# Altium PCB MainBoard.PcbDoc (part 1 of 2)
Units mm, origin at the board's own origin, x right, y up, seen from the top; angles counter-clockwise.
Board outline 63.5 x 63.5 mm, 4 copper layers (SIG-TOP, GND, PWR, SIG_BOT), stack 1.586 mm thick; 49 components, 50 nets, 318 pads, 614 vias.
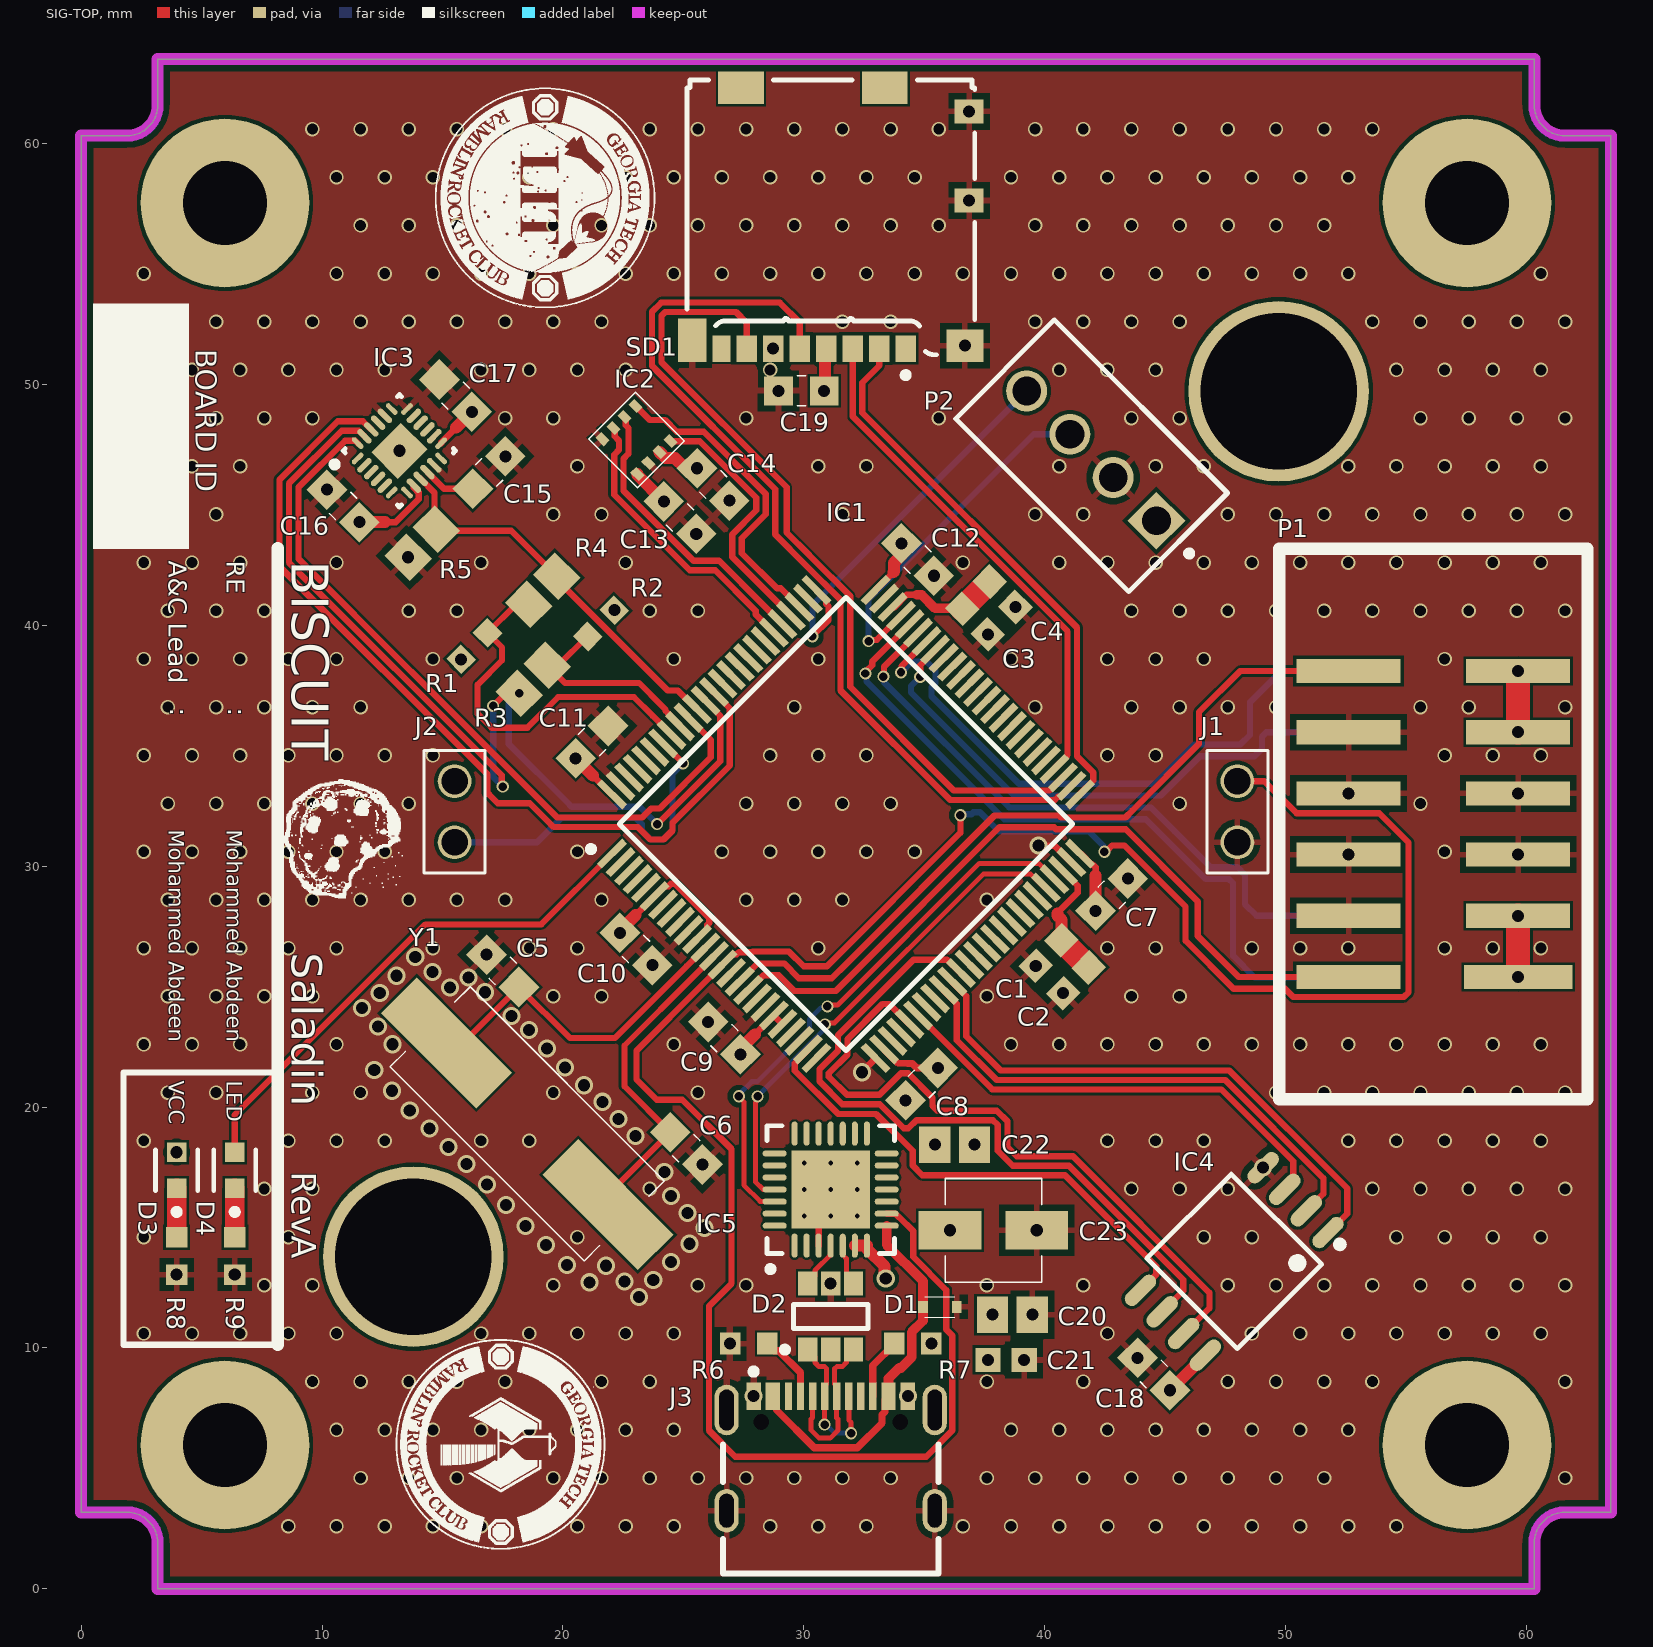
[diagram p0: SIG-TOP view]
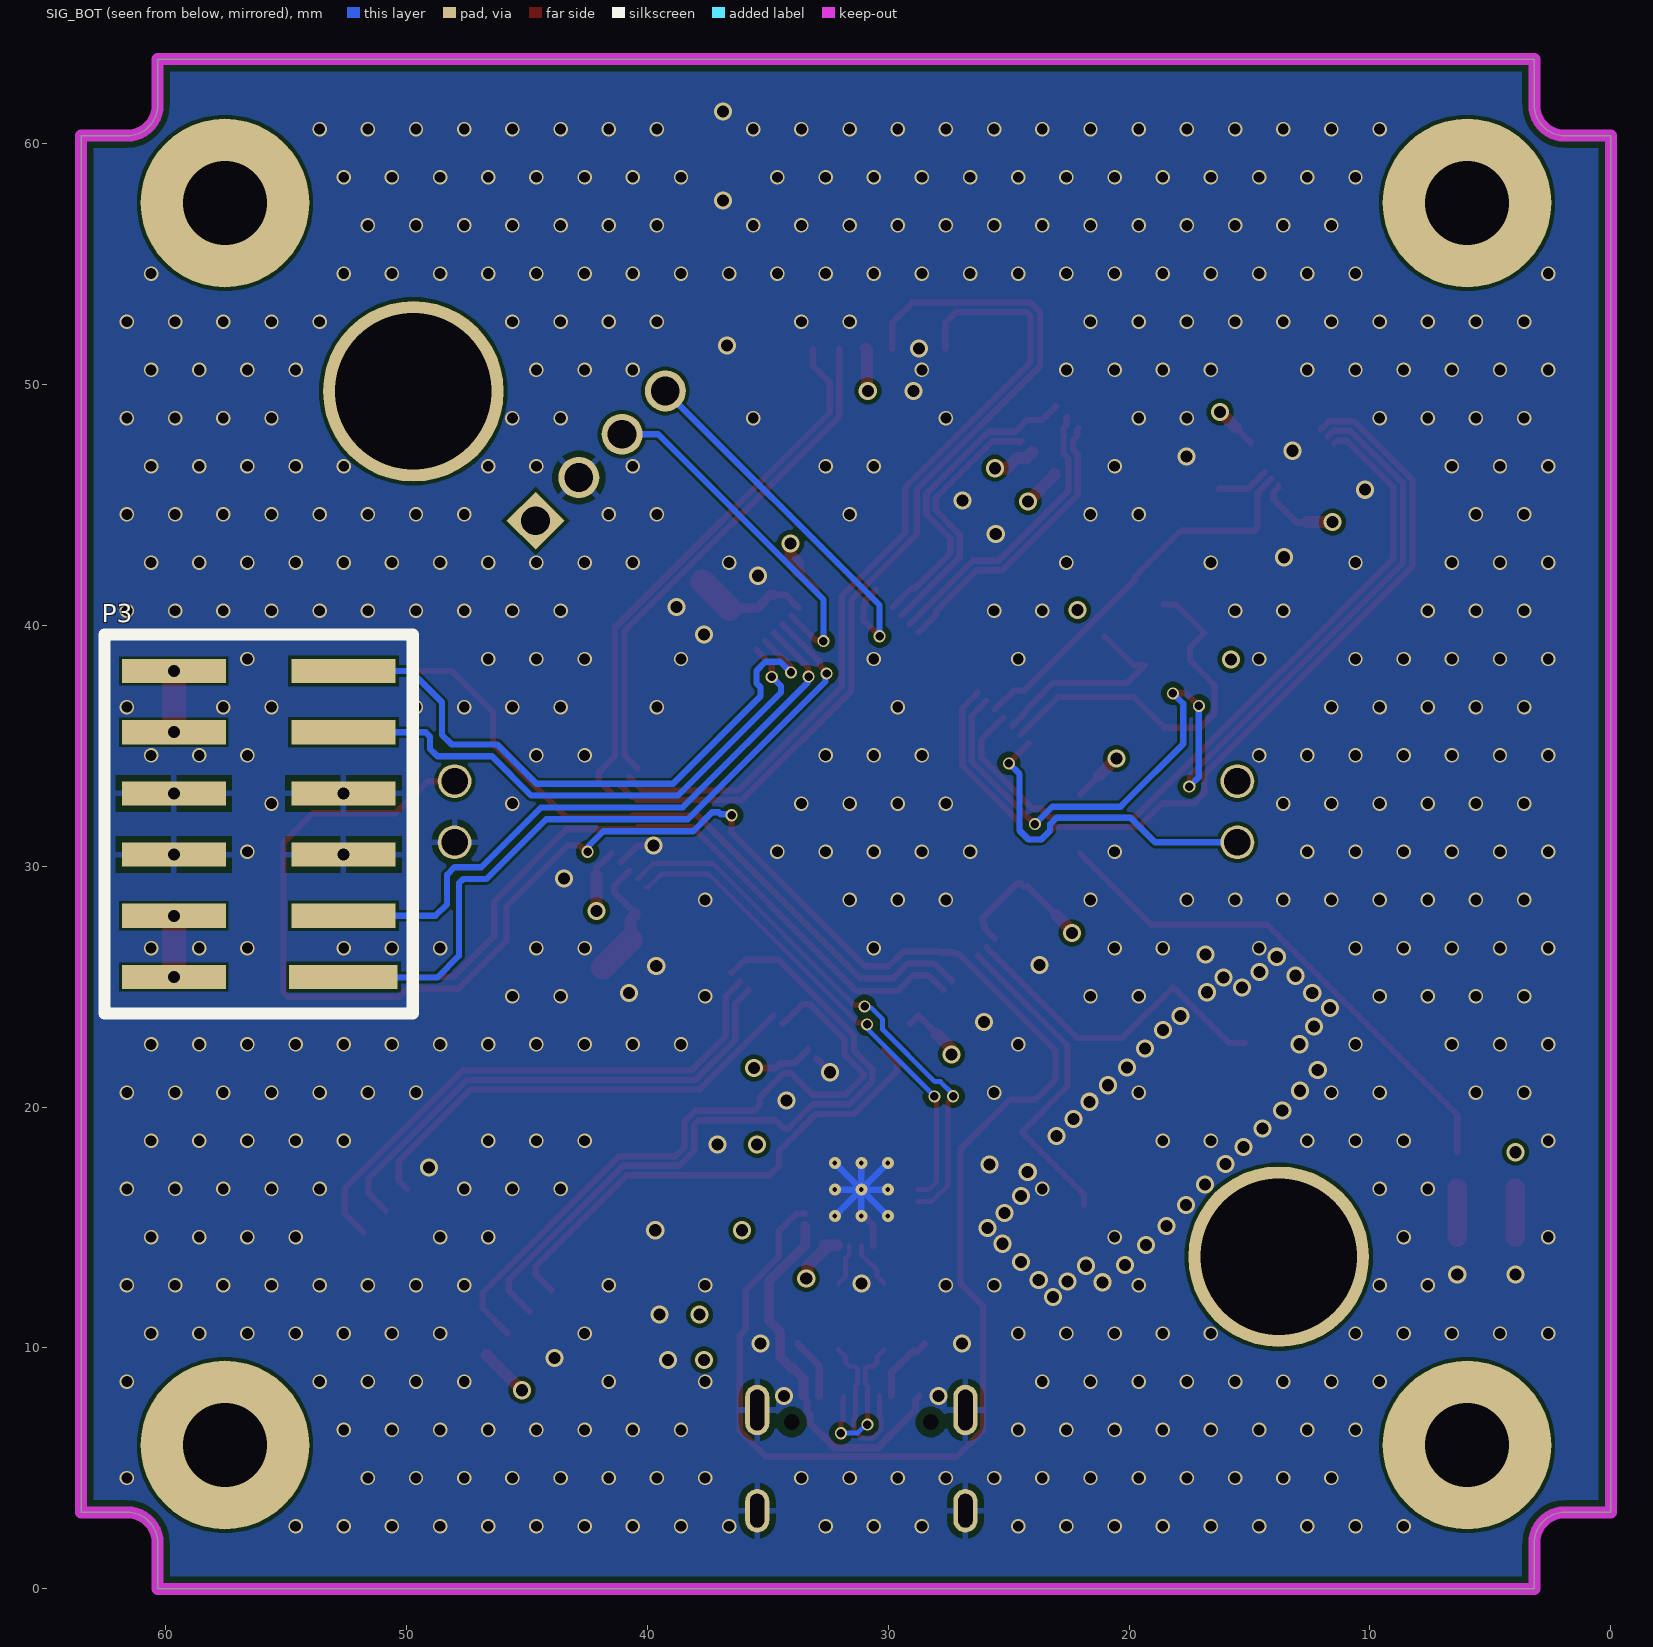
[diagram p1: SIG_BOT view, seen from below]
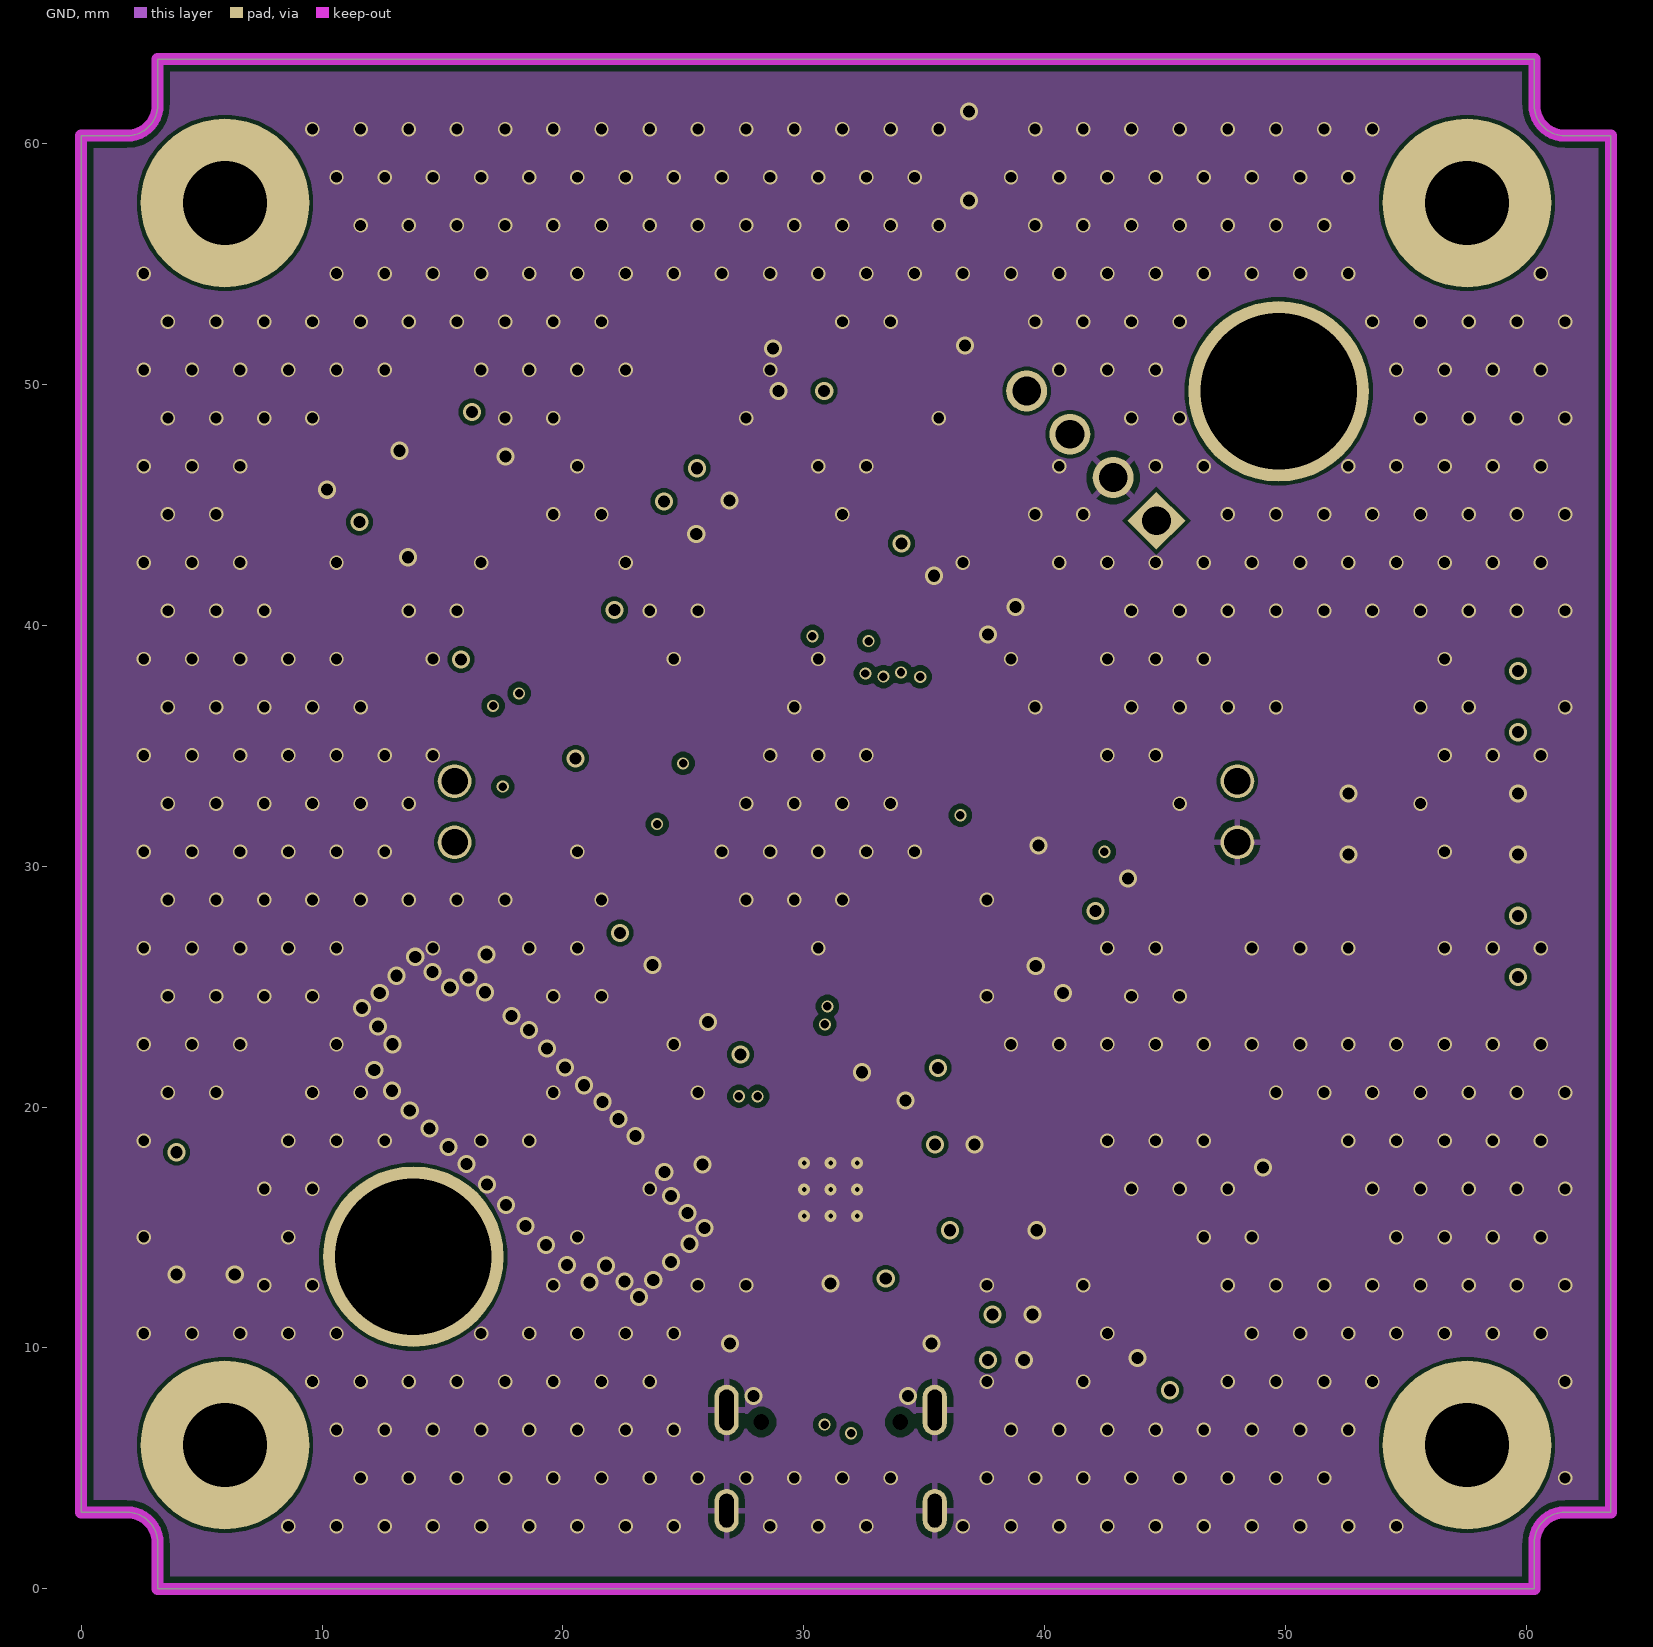
[diagram p2: GND]
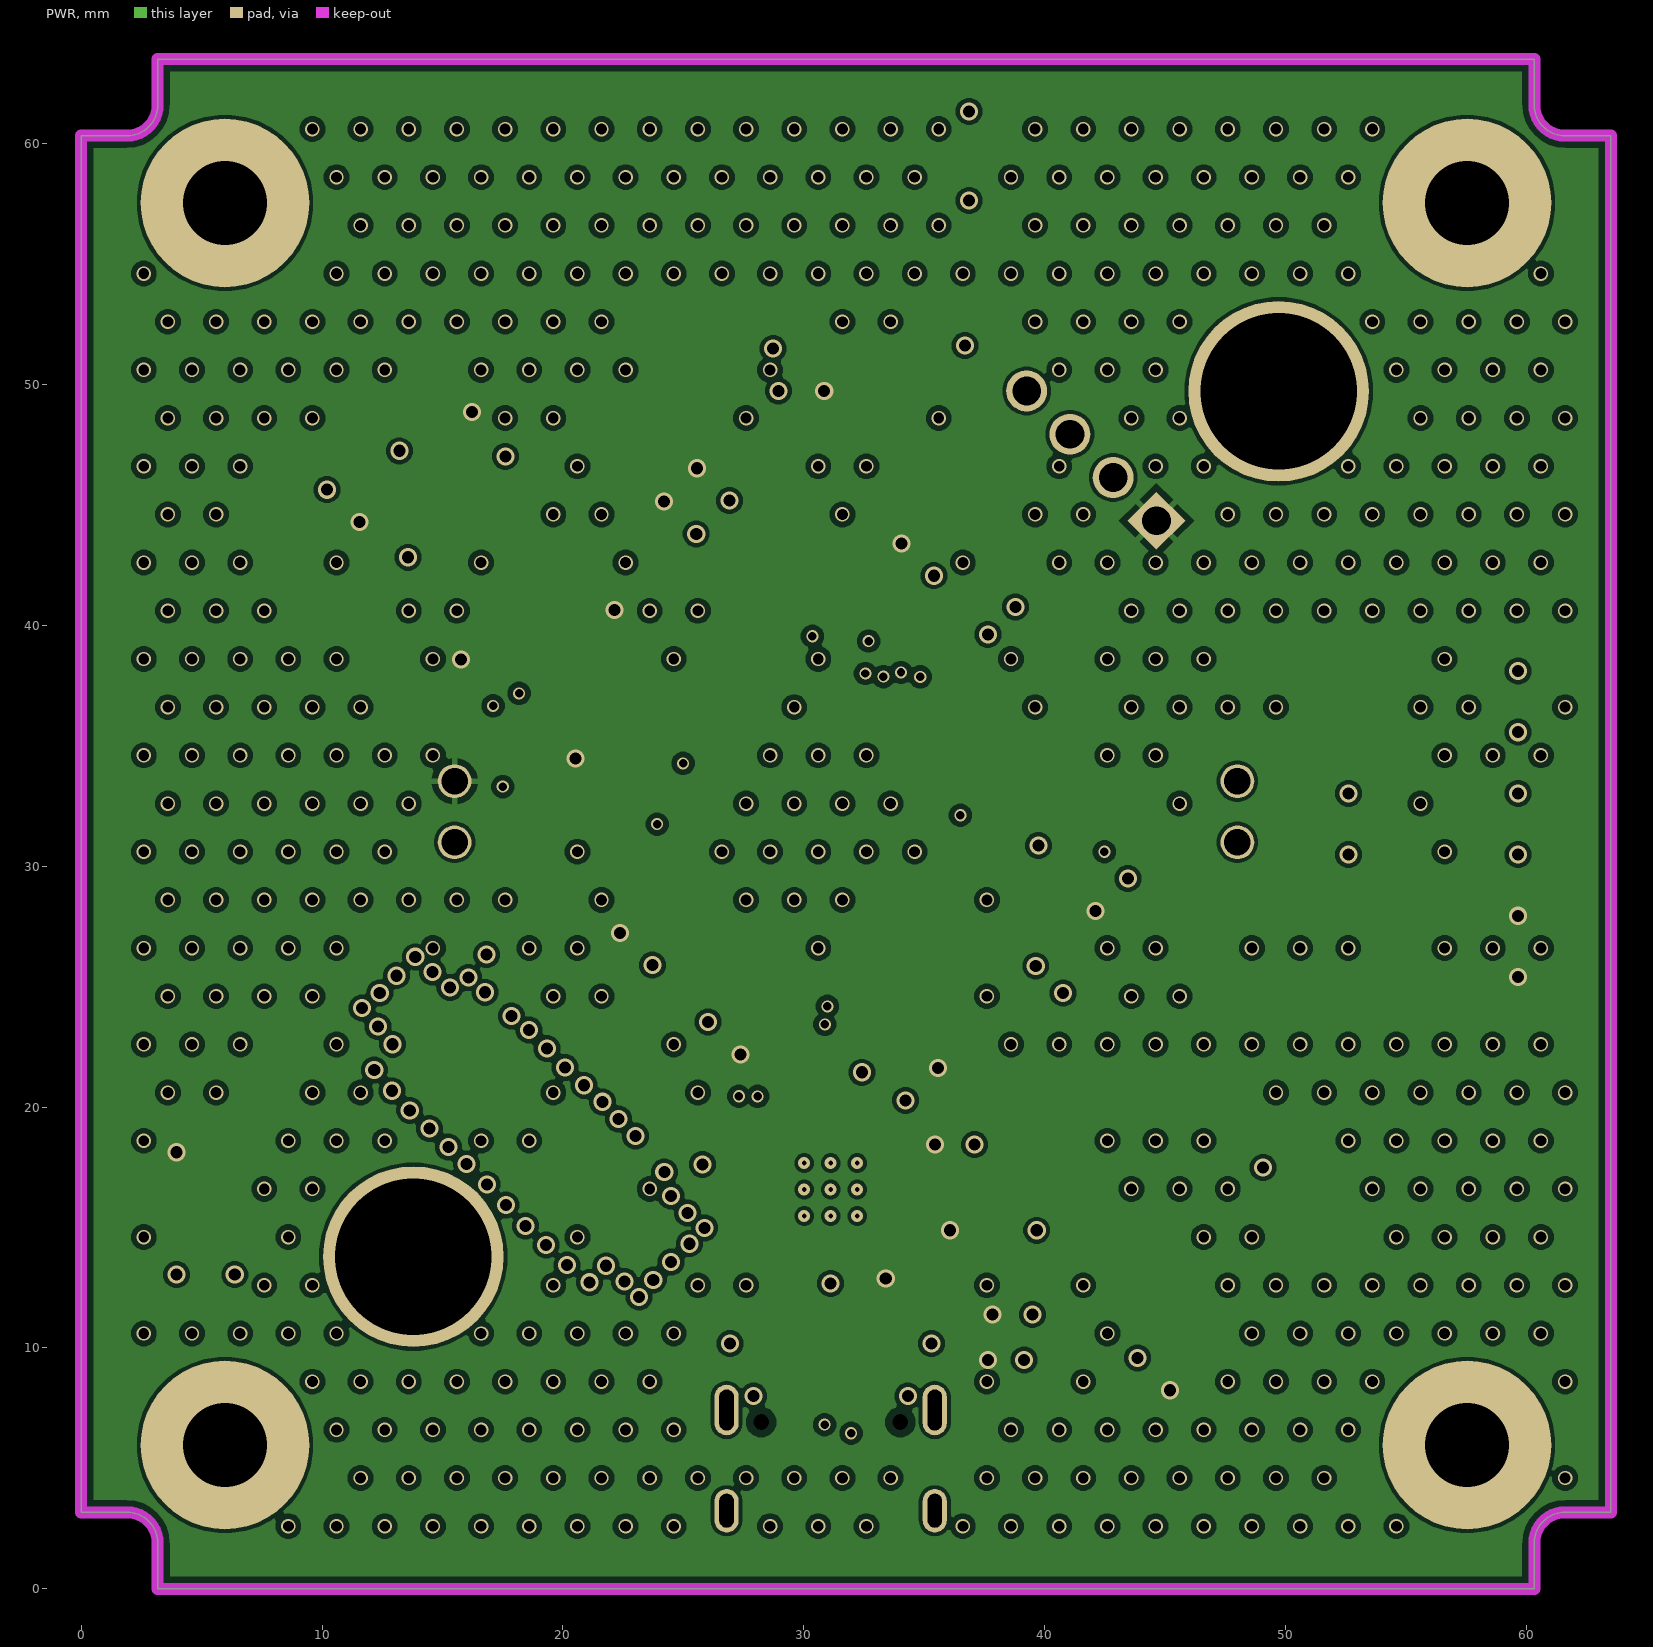
[diagram p3: PWR]
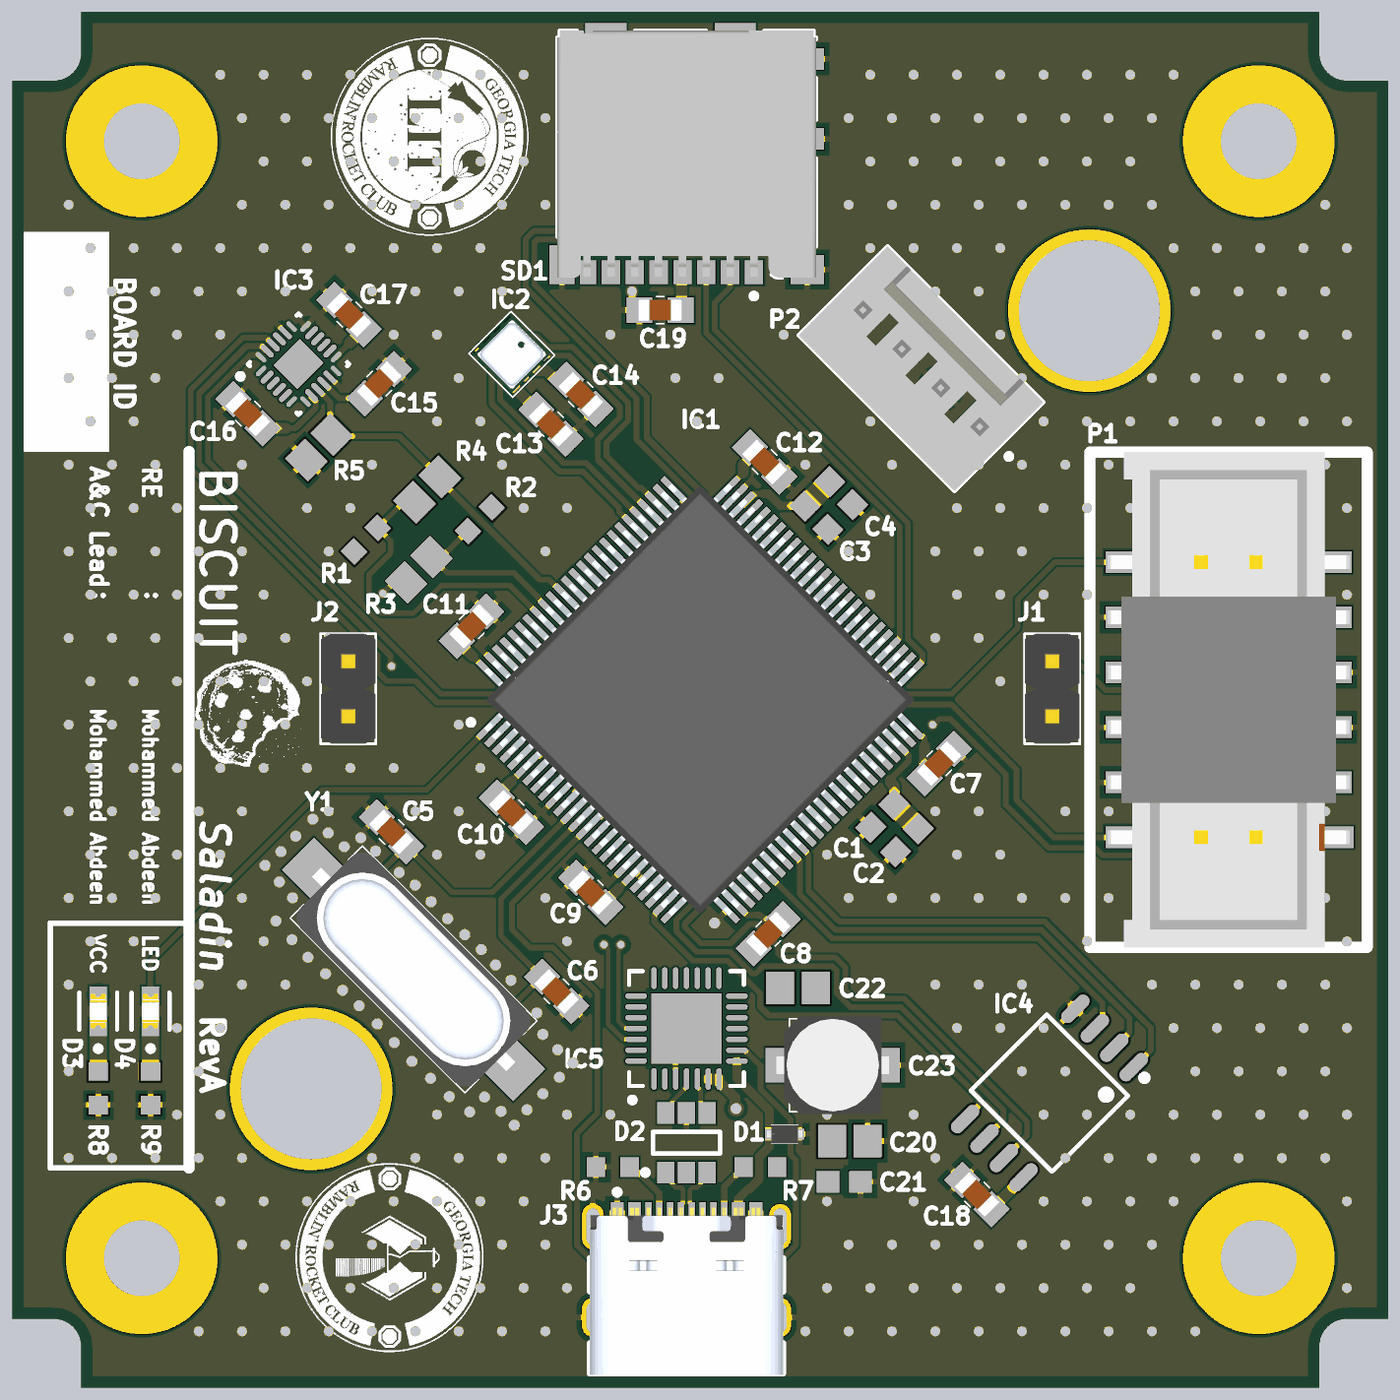
[diagram p5: 3D render of the assembled board from above, using the file's embedded part models]

## Layer stack, top to bottom
Top Solder: solder mask 0.0102, Solder Resist, Dk 3.8
SIG-TOP: signal copper 0.035
`: prepreg 0.2104, PP-006, Dk 4.4
GND: signal copper 0.0152
Dielectric 1: dielectric 1.065, FR-4, Dk 4.6
PWR: signal copper 0.0152
Dielectric 5: prepreg 0.2104, PP-006, Dk 4.4
SIG_BOT: signal copper 0.035
Bottom Solder: solder mask 0.0102, Solder Resist, Dk 3.8

## Board outline
0,3.175 1.905,3.175 cw(c1.905,1.905) 3.175,1.905 3.175,0 60.325,0 60.325,1.905 cw(c61.595,1.905) 61.595,3.175 63.5,3.175 63.5,60.325 61.595,60.325 cw(c61.595,61.595) 60.325,61.595 60.325,63.5 3.175,63.5 3.175,61.595 cw(c1.905,61.595) 1.905,60.325 0,60.325
